# Allegro board WNS_FDM_2V1-1221P2.brd (continued)
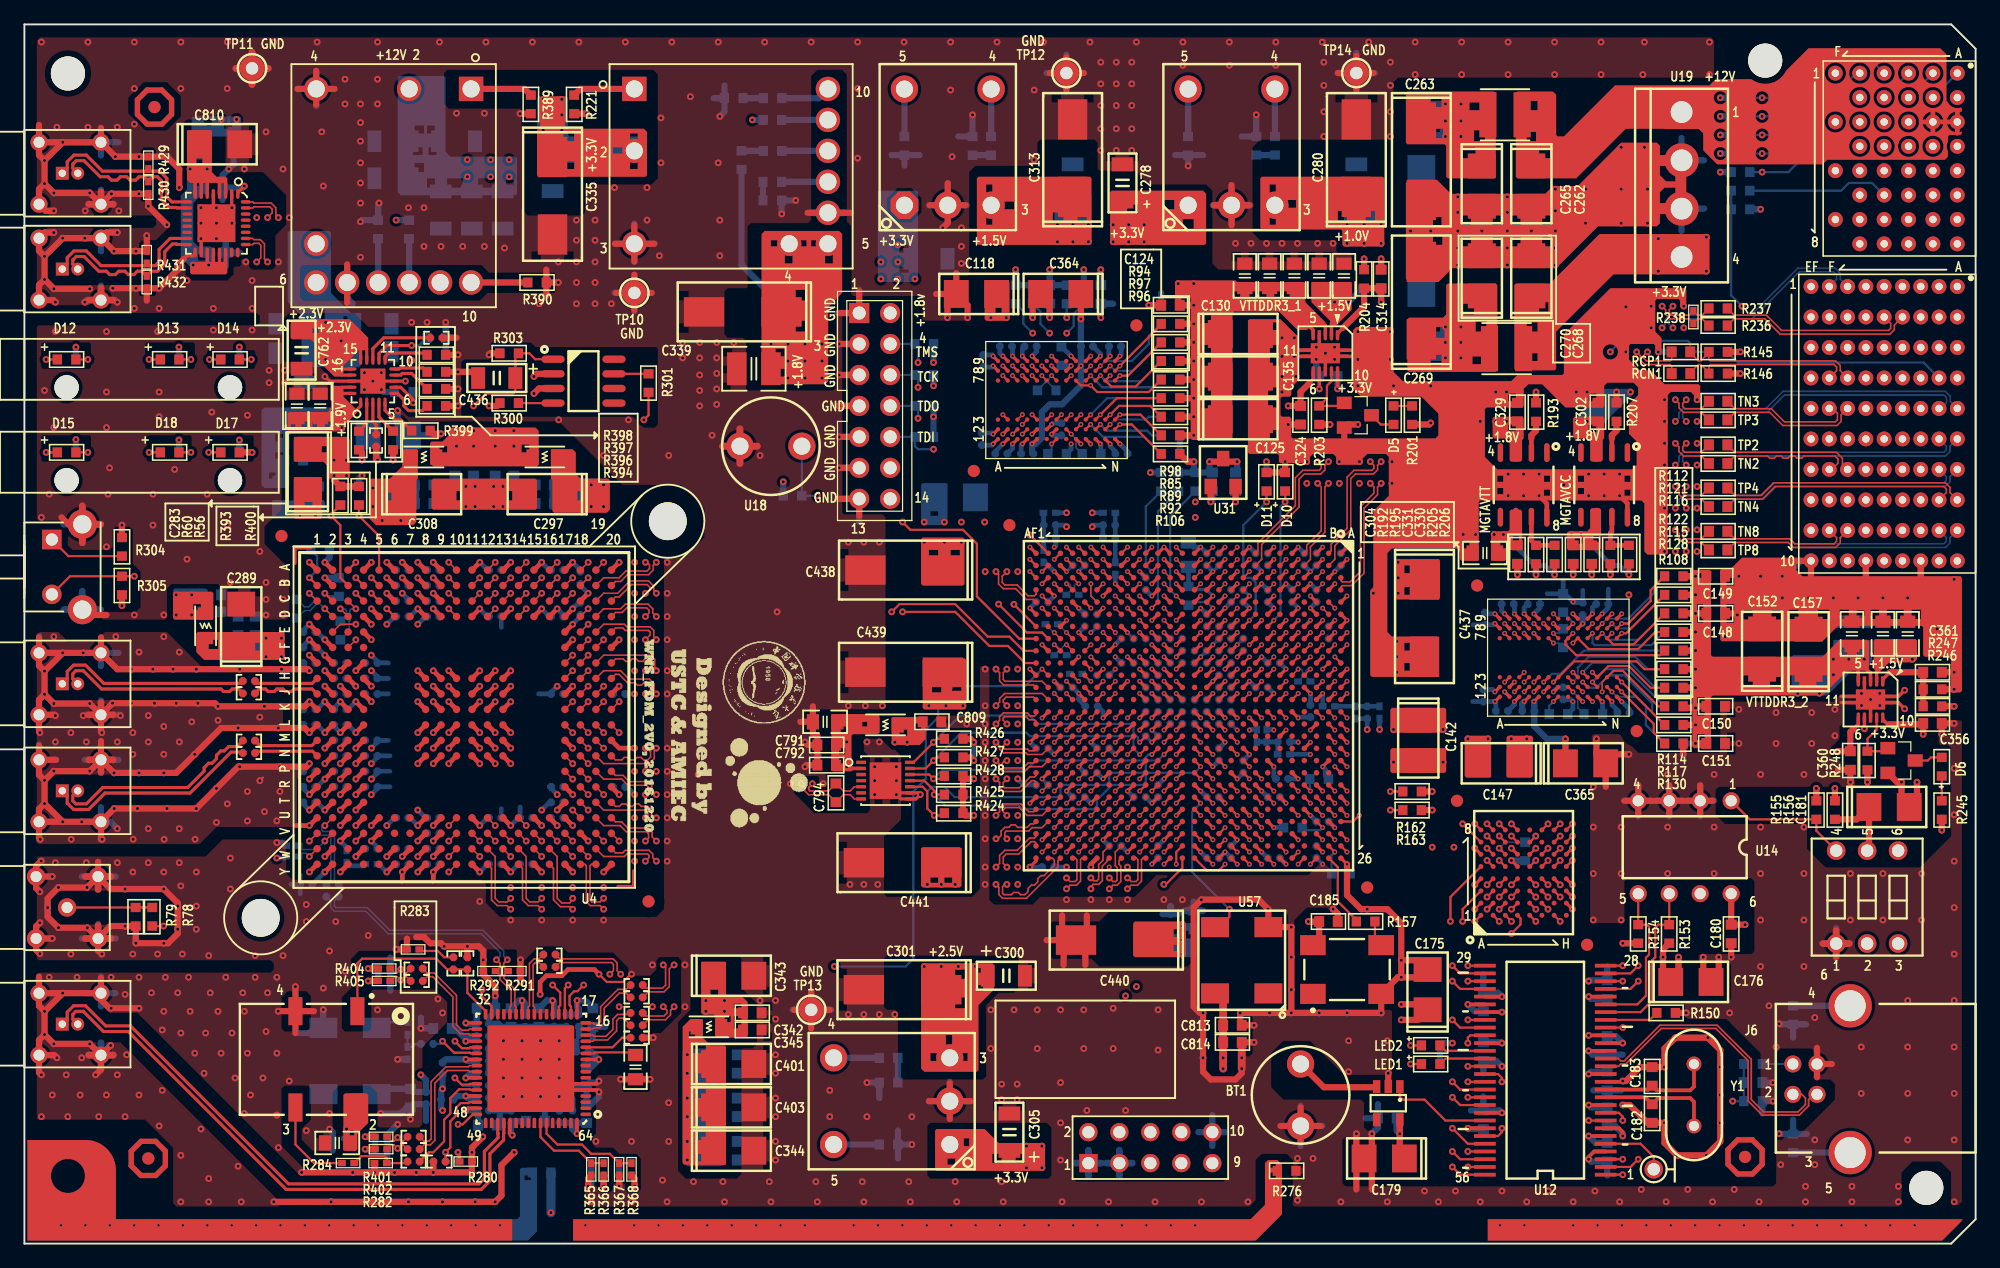
[diagram p0: board, top side]
## Routing (per net, layer and track width the routed paths; a pad name or vN(x,y) marks a point on that pad's centre or on a via; arc(x,y) is an arc through that point) (continued)
N10902226: length 2.1
  TOP w0.178: R157.1 110.74,24.99 U16.3
N16774590: length 1.4
  TOP w0.254: v1(85.83,71.99) U10.H8
  BOTTOM w0.381: v1(85.83,71.99) 85.79,72.03 R102.2
N16808704: length 1.8
  TOP w0.178: U11.H8 v1(126.98,50.86)
  BOTTOM w0.178: R126.2 126.18,51.75 126.98,50.95 v1(126.98,50.86)
N16810438: length 4.7
  BOTTOM w0.508: J6.6 R152.1
N16810511: length 5.4
  TOP w0.178: TP9.1 133.6,7.11 132.52,8.19 U12.5
N16810513: length 4.4
  TOP w0.178: U12.21 133.29,18.35 R150.2
N16810555: length 24.5
  TOP w0.132: U12.16 130.71,15.18 130.9,14.99 131.19,14.99 134.11,17.91 138.81,17.91 141.6,15.11 141.6,11.81 142.62,10.8 145.43,10.8 146.04,11.41 146.04,11.94 145.74,12.24 J6.2
N16810557: length 24.5
  TOP w0.132: J6.3 146.74,12.24 146.3,11.81 146.3,11.3 145.54,10.54 142.51,10.54 141.35,11.7 141.35,15.01 138.7,17.65 134.22,17.65 131.3,14.73 130.9,14.73 130.71,14.54 U12.15
N16810636: length 7
  TOP w0.508: BT1.1 106.55,12.83 110.84,12.83 U13.3
N16810845: length 3.9
  TOP w0.178: LED1.2 116.52,15.18 U12.41
N16810890: length 1.8
  TOP w0.178: LED1.1 v2(113.67,14.73)
  BOTTOM w0.178: LED1.1 v2(113.67,14.73)
N16810892: length 1.8
  TOP w0.178: LED2.1 v2(113.67,16.26)
  BOTTOM w0.178: LED2.1 v2(113.67,16.26)
N16811247: length 6.9
  TOP w0.508: R156.1 150.24,34.8 C181.1 151.26,32.38 SW1.5
N16916419: length 3.9
  BOTTOM w0.508: U24.5 R186.1
N16916421: length 1.5
  BOTTOM w0.508: R187.2 R188.1
N16916431: length 3.9
  BOTTOM w0.508: U24.4 R187.1
N16916614: length 3.7
  BOTTOM w0.508: R194.1 U27.5
N16916616: length 2
  BOTTOM w0.508: R197.1 R196.2
N16916626: length 3.7
  BOTTOM w0.508: U27.4 R196.1
N16917164: length 4
  TOP w0.381: U26.7 123.57,57.66 R192.1 R195.2
N16917275: length 3.9
  TOP w0.381: 130.18,59.58 130.18,58.42 130.05,58.29 R205.1 R206.2
N16941733: length 8.3
  TOP w0.279: U29.1 107.68,74.66 108.14,75.12
  TOP w0.508: v2(111.25,77.22) C314.1 R204.1 109.86,76.83 108.14,75.12
  BOTTOM w0.508: R202.2 v2(111.25,77.22)
N16941810: length 5.4
  TOP w0.178: U29.9 107.18,70.74 106.81,70.37 106.81,69.34 R203.2 107.98,68.71 Q1.1
N16953617: length 3.9
  BOTTOM w0.508: U28.5 R198.1
N16953619: length 1.5
  BOTTOM w0.508: R199.2 R200.1
N16953629: length 3.9
  BOTTOM w0.508: U28.4 R199.1
N17050323: length 5.1
  TOP w0.508: R221.2 45.59,94.71 U32.1
N17050346: length 1.8
  BOTTOM w0.508: R210.1 R213.2
N17050348: length 3.8
  BOTTOM w0.508: U32.8 R213.1
N17050384: length 1.5
  BOTTOM w0.508: R209.2 R222.1
N17050386: length 3.8
  BOTTOM w0.508: U32.7 R209.1
N17050402: length 3.8
  BOTTOM w0.508: U32.9 R218.1
N17050423: length 4.1
  BOTTOM w0.508: U32.10 65.13,93.95 R223.1
N17050425: length 1.7
  BOTTOM w0.508: R223.2 R224.1
N17158977: length 3
  TOP w0.254: U15.M6 v1(97.45,52.12)
  BOTTOM w0.178: v1(97.45,52.12) 96.95,52.62 95.7,52.62 R225.1
N17299230: length 6.5
  TOP w0.279: U33.1 152.38,46.28 152.97,46.86
  TOP w0.508: R246.2 R247.1 C361.1 152.97,46.86
N17299306: length 4.9
  TOP w0.178: Q2.1 152.55,40.39 R248.2 151.13,41.4 151.88,42.16 U33.9
N17495344: length 4.7
  BOTTOM w0.508: R278.1 J6.5
N17558140: length 4.2
  TOP w0.178: U34.11 46.72,15.6 46.8,15.68 49.91,15.68 C411.2
N17558142: length 4
  TOP w0.178: U34.12 48.23,16.1 49.02,16.89 C410.2
N17558156: length 4.1
  TOP w0.178: U34.43 36.55,13.1 36.49,13.04 35.86,13.04 v2(35.31,13.59)
  BOTTOM w0.178: C415.1 35.94,12.95 v2(35.31,13.59)
N17558206: length 4.1
  TOP w0.178: v2(35.31,16.6) 35.87,16.04 36.49,16.04 36.55,16.1 U34.37
  BOTTOM w0.178: C416.2 35.9,16 v2(35.31,16.6)
N17558600: length 17.8
  TOP w0.178: U35.1 27.3,22.99 27.69,23.37 33.78,23.37 34.66,22.49 C412.2 C421.2 36.32,20.57 37.82,19.08 U34.32
N17558607: length 5.1
  TOP w0.178: R284.2 27.62,7.18 29.54,7.18 29.72,7 R282.1 31.29,6.6 C419.2
N17558613: length 7.5
  TOP w0.178: U35.3 22.23,8.13 23.75,6.6 R284.1
N17558631: length 9
  TOP w0.178: C419.1 33.18,7.49 33.53,7.49 34.42,8.38 34.42,10.16 34.92,10.67 34.92,11.94 35.65,12.66 36.54,12.66 36.6,12.6 U34.44
N17558641: length 1.6
  TOP w0.178: v2(35.55,7.49) 35.69,7.36 R280.1
  BOTTOM w0.178: C408.2 v2(35.55,7.49)
N17558643: length 7.4
  TOP w0.178: C417.1 v2(34.54,7.49) 34.92,7.88 34.92,10.03 35.43,10.54 35.43,11.18 35.79,11.53 36.42,11.53 36.49,11.6 U34.46
  BOTTOM w0.178: C408.1 34.55,7.48 v2(34.54,7.49)
N17558659: length 2.2
  BOTTOM w0.178: C413.1 32.07,16.38 31.81,16.13 R281.1 R279.2
N17558661: length 4.1
  TOP w0.178: v2(34.29,16.6) 35.23,15.66 36.54,15.66 36.6,15.6 U34.38
  BOTTOM w0.178: v2(34.29,16.6) 34.07,16.38 C413.2
N17620275: length 58.2
  TOP w0.178: v2(36.83,68.71) 37.85,69.72 40.08,69.72 40.26,69.9 C436.1 40.26,72.77 R303.1 41.4,73.03 41.89,72.54 U36.1 ; v2(9.02,54.74) R305.2 3.74,54.74 U63.2
  ART08 w0.119: v2(9.02,54.74) 11.43,57.15 11.43,63.75 14.86,67.18 18.8,67.18 23.37,71.75 26.16,71.75 26.92,72.52 30.73,72.52 33.91,69.34 36.2,69.34 v2(36.83,68.71)
N17620292: length 2.8
  TOP w0.178: R300.2 U36.4
N17620294: length 2.8
  TOP w0.178: U36.7 R301.1
N17650733: length 1.8
  TOP w0.178: D12.1 v2(1.78,72.52)
  BOTTOM w0.178: D12.1 v2(1.78,72.52)
N17650763: length 1.8
  TOP w0.178: D13.1 v2(10.23,72.52)
  BOTTOM w0.178: D13.1 v2(10.23,72.52)
N18072394: length 3.6
  BOTTOM w0.508: U58.7 R388.1
N18074867: length 3.6
  BOTTOM w0.508: R391.1 U58.8
N18078872: length 2.7
  TOP w0.254: C758.2 28.84,67.18 28.57,67.44 U59.3
N18081703: length 5
  TOP w0.254: v2(31.75,73.66) 29.72,73.66 29.07,73.02 U59.12
  BOTTOM w0.254: v2(31.75,73.66) 32.38,73.66 R392.1
N18102810: length 4.2
  TOP w0.508: R402.1 v2(27.94,7.75) ; R401.2 v2(27.94,8.76)
  BOTTOM w0.508: v2(27.94,7.75) C764.1 28.75,8.75 R401.2 v2(27.94,8.76)
N18120412: length 4.2
  TOP w0.508: R404.2 v2(28.19,22.56) ; v2(28.19,21.54) R405.1
  BOTTOM w0.508: v2(28.19,21.54) R405.1 29,21.55 C767.1 v2(28.19,22.56)
N18121616: length 16.5
  TOP w0.254: C770.1 17.71,45.95 6.51,45.95 5.02,47.45 4.03,47.45 3.51,46.93 3.51,46.32 J8.1
N18121619: length 16
  TOP w0.254: J8.2 3.97,46.32 3.97,46.74 4.22,46.99 4.83,46.99 6.32,45.49 16.12,45.49 16.33,45.29 16.83,45.29 17.04,45.49 17.54,45.49 C771.1
N18121631: length 17.8
  TOP w0.254: J9.1 3.51,36.73 3.51,36.13 4.03,35.61 5.27,35.61 6.62,36.96 13.59,36.96 16.94,40.31 17.85,40.31 C772.1
N18121634: length 17.5
  TOP w0.254: J9.2 3.97,36.73 3.97,36.32 4.22,36.07 5.08,36.07 6.43,37.41 13.4,37.41 14.74,38.76 14.74,39.04 15.1,39.4 15.39,39.4 15.75,39.76 15.75,40.05 16.11,40.41 16.39,40.41 16.75,40.77 17.42,40.77 C773.1
N18160273: length 4.1
  BOTTOM w0.381: R408.2 89.45,58.94 C774.2 89.45,58.92 R409.1 R410.1
N18161206: length 3.1
  BOTTOM w0.381: R412.1 R413.1 83.57,58.92 C775.2 83.57,58.94 R411.2
N18161770: length 3.7
  BOTTOM w0.381: R414.2 110.12,44.07 C776.2 110.1,44.07 R416.1 R415.1
N18161825: length 2.7
  BOTTOM w0.381: R418.1 R419.1 C777.2 102.78,40.14 R417.2
N18197694: length 5.8
  TOP w0.124: C790.1 49.35,20.85 48.67,20.85 47.24,19.43 47.24,18.21 47.04,18 46.72,18 46.62,18.1 U34.16
N18197699: length 5.8
  TOP w0.124: C789.1 49.35,20.55 48.79,20.55 47.55,19.31 47.55,18.08 47.16,17.7 46.72,17.7 46.62,17.6 U34.15
N18197765: length 5
  TOP w0.124: U34.14 46.62,17.1 46.72,17 47.69,17 48.26,17.57 48.26,18.41 48.64,18.8 49.58,18.8 C788.1
N18197770: length 5.2
  TOP w0.124: U34.13 46.62,16.6 46.72,16.7 47.81,16.7 48.56,17.45 48.56,18.29 48.77,18.49 49.12,18.49 C787.1
N18454595: length 13.7
  TOP w0.254: U62.10 12.54,84.94 12.49,84.99 11.9,84.99 11.23,85.66 11.23,87.19 10.91,87.5 10.54,87.5 R430.1 9.78,87.5 9.4,87.5 9.12,87.22 8.66,87.22 8.38,87.5 7.87,87.5 7.59,87.22 7.14,87.22 6.86,87.5 6.21,87.5 4.89,88.82 4.25,88.82 3.97,88.54 3.97,88.2 J15.2
N18454598: length 13.8
  TOP w0.254: J15.1 3.51,88.2 3.51,88.73 4.06,89.28 5.08,89.28 6.4,87.96 9.97,87.96 9.98,87.95 R429.2 10.34,87.96 11.1,87.96 11.68,87.38 11.68,85.85 12.09,85.44 U62.9
N18454783: length 13.2
  TOP w0.254: U62.16 12.54,81.94 12.49,81.99 12.14,81.99 11.51,81.36 11.51,80.34 10.92,79.76 10.41,79.76 R432.1 9.85,79.56 9.84,79.55 9.64,79.76 9.26,79.76 8.98,79.48 8.52,79.48 8.24,79.76 7.74,79.76 7.46,79.48 7,79.48 6.72,79.76 6.1,79.76 4.89,80.96 4.25,80.96 3.97,80.68 3.97,80.34 J16.2
N18454786: length 13.3
  TOP w0.254: J16.1 3.51,80.34 3.51,80.87 4.06,81.42 5.08,81.42 6.29,80.21 9.83,80.21 9.84,80.2 R431.2 10.21,80.21 10.73,80.21 11.05,80.53 11.05,81.55 11.95,82.44 U62.15
N18540103: length 1.8
  TOP w0.178: D14.1 v2(15.18,72.52)
  BOTTOM w0.178: D14.1 v2(15.18,72.52)
N18540113: length 1.8
  TOP w0.178: D15.1 v2(1.78,64.9)
  BOTTOM w0.178: D15.1 v2(1.78,64.9)
N18540264: length 2
  TOP w0.178: D17.1 v2(15.11,64.9)
  BOTTOM w0.178: D17.1 v2(15.11,64.9)
N18567534: length 1.8
  TOP w0.178: D18.1 v2(10.23,64.9)
  BOTTOM w0.178: D18.1 v2(10.23,64.9)
N168105510: length 2.5
  BOTTOM w0.178: R149.1 J6.1
N169171520: length 2.7
  TOP w0.381: 123.57,66.04 U26.2
  TOP w0.508: R193.1 123.95,66.67 123.57,66.29 123.57,66.04
N169172710: length 2.7
  TOP w0.381: 130.18,66.04 130.18,64.88
  TOP w0.508: 130.18,66.04 130.18,66.29 130.56,66.67 R207.1
N169415771: length 1.5
  TOP w0.178: R201.2 D5.1
N169416590: length 2.1
  TOP w0.178: D5.2 111.23,67.18 Q1.3
N172991041: length 2
  TOP w0.178: D6.1 R245.2
N172991780: length 2.3
  TOP w0.178: Q2.3 156.08,39.62 156.34,39.88 D6.2
N175583060: length 3.1
  TOP w0.178: C412.1 34.43,23.49 33.91,24 32.51,24 R283.2
N176209151: length 6.3
  TOP w0.178: R304.2 3.61,56.39 U63.1
N180715730: length 5.1
  TOP w0.508: R389.2 41.02,94.71 U58.1
N180715739: length 4.6
  TOP w0.508: R390.1 U58.10
N180779651: length 2.6
  TOP w0.254: U59.2 28.08,67.27 R393.2
N180779653: length 2.8
  TOP w0.254: R400.2 29.07,67.79 U59.4
N180779654: length 3.5
  TOP w0.254: R399.1 30.86,67.56 30.35,67.56 29.57,68.34 U59.5
N180779655: length 3.7
  TOP w0.254: U59.6 30.59,69.74 31.11,69.22 31.11,68.71 31.5,68.33 32.64,68.33 R394.1
N180779656: length 3.9
  TOP w0.254: R398.1 32.87,73.05 29.87,73.05 29.57,72.75 U59.11
N180779658: length 6
  TOP w0.254: U59.13 28.57,73.41 29.46,74.3 C763.1
N1681050744: length 3.9
  TOP w0.178: LED2.2 116.52,15.81 U12.40
N1807796511: length 3.1
  TOP w0.254: U59.7 30.85,70.24 31.88,69.22 v2(31.88,68.96)
  BOTTOM w0.254: R395.1 v2(31.88,68.96)
N1807796513: length 3.3
  TOP w0.254: R396.1 31.75,71.37 30.99,71.37 30.85,71.24 U59.9
N1807796514: length 2.9
  TOP w0.254: U59.10 30.72,71.74 30.8,71.82 32.7,71.82 R397.1

## Copper pours and planes (outline as drawn; the poured copper is in the pictures)
+1.0V on TOP (solid shape): 116.08,56.01 116.08,52.96 115.95,52.83 112.52,52.83 112.39,52.96 112.39,53.21 114.05,53.21 114.05,53.85 113.16,53.85 113.16,53.21 112.39,53.21 112.39,54.99 114.05,54.99 114.05,55.63 113.16,55.63 113.16,54.99 112.39,54.99 112.39,56.01 112.52,56.13 115.95,56.13
+1.0V on TOP (solid shape): 111.51,87.38 111.51,81.92 111.38,81.79 108.2,81.79 108.08,81.92 108.08,83.06 107.95,83.19 101.47,83.19 101.35,83.31 101.35,83.57 102.62,83.57 102.62,83.82 110.74,83.82 110.74,84.71 109.98,84.71 109.98,83.82 108.46,83.82 108.46,84.71 107.7,84.71 107.7,83.82 102.62,83.82 102.62,84.58 102.11,84.58 102.11,83.57 101.35,83.57 101.35,84.96 104.27,84.96 104.27,85.6 102.87,85.6 102.87,84.96 101.35,84.96 101.35,85.72 102.62,85.72 102.62,86.87 102.11,86.87 102.11,85.72 101.35,85.72 101.35,87.38 101.47,87.5 111.38,87.5
+1.0V on BOTTOM (solid shape): 111.51,85.98 111.51,81.92 111.38,81.79 108.33,81.79 108.2,81.92 108.2,84.45 108.97,84.45 108.97,84.58 110.36,84.58 110.36,85.34 109.73,85.34 109.73,84.58 108.97,84.58 108.97,85.22 108.46,85.22 108.46,84.45 108.2,84.45 108.2,85.98 108.33,86.11 111.38,86.11
+1.0V on POWER06: 90.34,40.89 90.17,41.06 90.17,57.57 90.42,57.83 90.42,58.84 93.98,62.4 93.98,79.04 94.95,80.01 104.48,80.01 105.66,81.2 105.66,83.48 106.38,84.2 113.2,84.2 113.92,83.48 113.92,42.63 112.44,41.15 108.88,41.15 108.63,40.89
+1.5V on TOP (solid shape): 108.84,78.74 108.84,76.58 107.57,75.31 107.19,75.31 107.06,75.44 107.06,75.69 105.54,77.22 105.54,78.74 105.66,78.87 108.71,78.87
+1.5V on TOP (solid shape): 116.59,43.81 116.59,42.04 116.46,41.91 112.14,41.91 112.01,42.04 112.01,43.81 112.14,43.94 116.46,43.94
+1.5V on TOP (solid shape): 123.7,41.53 123.7,38.35 123.57,38.23 121.67,38.23 121.54,38.35 121.54,41.53 121.67,41.66 123.57,41.66
+1.5V on TOP (solid shape): 155.19,49.45 155.19,47.93 154.94,47.68 152.91,47.68 152.15,46.91 151.89,46.91 151.64,47.17 151.64,49.45 151.76,49.58 155.07,49.58
+1.5V on TOP (solid shape): 80.77,78.87 80.77,75.82 80.64,75.69 78.87,75.69 78.74,75.82 78.74,76.33 80.14,76.33 80.14,76.83 79.63,76.83 79.63,76.33 78.74,76.33 78.74,78.87 78.87,78.99 80.64,78.99
+1.5V on TOP (solid shape): 77.09,57.78 77.09,54.1 76.96,53.98 73.66,53.98 73.53,54.1 73.53,56.01 76.71,56.01 76.71,56.9 75.95,56.9 75.95,56.01 73.53,56.01 73.53,56.13 74.93,56.13 74.93,56.9 74.17,56.9 74.17,56.13 73.53,56.13 73.53,57.78 73.66,57.91 76.96,57.91
+1.5V on TOP (solid shape): 87.5,87.38 87.5,82.04 87.38,81.92 78.23,81.92 78.11,82.04 78.11,83.57 79.38,83.57 79.38,83.82 87.12,83.82 87.12,84.58 86.36,84.58 86.36,83.82 85.22,83.82 85.22,84.58 84.33,84.58 84.33,83.82 79.38,83.82 79.38,84.71 78.87,84.71 78.87,83.57 78.11,83.57 78.11,84.84 81.15,84.84 81.15,85.47 79.63,85.47 79.63,84.84 78.11,84.84 78.11,85.6 79.38,85.6 79.38,86.87 78.87,86.87 78.87,85.6 78.11,85.6 78.11,87.38 78.23,87.5 87.38,87.5
+1.5V on BOTTOM (solid shape): 75.69,62.23 75.69,59.05 75.56,58.93 73.66,58.93 73.53,59.05 73.53,59.69 74.93,59.69 74.93,60.45 74.3,60.45 74.3,59.69 73.53,59.69 73.53,62.23 73.66,62.36 75.56,62.36
+1.5V on BOTTOM (solid shape): 87.5,85.98 87.5,82.04 87.38,81.92 84.58,81.92 84.45,82.04 84.45,84.33 87.12,84.33 87.12,85.22 86.49,85.22 86.49,84.33 85.72,84.33 85.72,85.09 84.96,85.09 84.96,84.33 84.45,84.33 84.45,85.98 84.58,86.11 87.38,86.11
+1.5V on POWER05: 110.32,38.73 109.05,40.01 108.69,40.01 108.44,40.26 106.83,40.26 106.82,40.25 106.29,40.25 105.66,39.62 104.69,39.62 104.2,40.11 104.2,43.79 103.67,44.32 100.56,44.32 100.2,44.68 100.2,51.29 99.67,51.82 82,51.82 81.74,52.07 75.27,52.07 73.41,53.93 73.41,59.48 77.03,63.1 77.03,78.09 83.14,84.2 87.29,84.2 87.88,83.61 87.88,81.32 89.83,79.38 108.12,79.38 109.09,78.4 109.09,76.66 108.37,75.95 101.39,75.95 99.95,74.51 99.95,63.8 101.01,62.74 112.44,62.74 112.78,62.4 112.78,60.88 117.52,56.13 131.36,56.13 132.46,55.03 132.46,52.24 134.28,50.42 154.73,50.42 155.32,49.83 155.32,45.93 154.6,45.21 134.03,45.21 127.55,38.73
+1.8V on TOP (solid shape): 129.54,67.69 129.54,66.04 129.41,65.91 129.41,64.26 129.29,64.14 128.52,64.14 128.4,64.26 128.4,65.91 128.27,66.04 127.13,66.04 127,66.17 127,66.55 128.91,66.55 128.91,67.18 128.27,67.18 128.27,66.55 127,66.55 127,67.69 127.13,67.82 129.41,67.82
+1.8V on TOP (solid shape): 122.94,67.69 122.94,66.04 122.81,65.91 122.81,64.26 122.68,64.14 121.92,64.14 121.79,64.26 121.79,65.91 121.67,66.04 120.52,66.04 120.4,66.17 120.4,66.67 122.3,66.67 122.3,67.18 121.67,67.18 121.67,66.67 120.4,66.67 120.4,67.69 120.52,67.82 122.81,67.82
+1.8V on TOP (solid shape): 77.22,47.88 77.22,43.94 77.09,43.81 73.79,43.81 73.66,43.94 73.66,45.21 75.18,45.21 75.18,45.34 76.83,45.34 76.83,46.1 76.07,46.1 76.07,45.34 75.18,45.34 75.18,46.1 74.42,46.1 74.42,45.21 73.66,45.21 73.66,47.88 73.79,48.01 77.09,48.01
+1.8V on TOP (solid shape): 67.06,82.8 67.06,77.98 65.91,76.83 65.91,70.74 65.66,70.48 60.58,70.48 60.45,70.61 60.45,71.12 62.48,71.12 62.48,71.75 61.72,71.75 61.72,71.12 60.45,71.12 60.45,72.77 62.36,72.77 62.36,73.41 61.59,73.41 61.59,72.77 60.45,72.77 60.45,74.8 64.14,74.8 64.14,75.69 63.25,75.69 63.25,74.8 60.45,74.8 60.45,77.34 64.14,77.34 64.14,78.23 63.25,78.23 63.25,77.34 60.45,77.34 60.45,80.39 66.29,80.39 66.29,81.41 65.66,81.41 65.66,80.39 62.99,80.39 62.99,81.41 62.36,81.41 62.36,80.39 60.45,80.39 60.45,81.79 65.41,81.79 65.41,82.3 64.52,82.3 64.52,81.79 64.14,81.79 64.14,82.3 62.99,82.3 62.99,81.79 62.1,81.79 62.1,82.3 61.21,82.3 61.21,81.79 60.45,81.79 60.45,82.8 60.71,83.06 66.8,83.06
+1.8V on BOTTOM (solid shape): 131.95,69.98 131.95,69.72 129.41,67.18 127.13,67.18 127,67.31 127,67.56 129.54,70.1 131.83,70.1
+1.8V on ART03 (solid shape): 139.57,94.11 139.57,75.82 133.1,69.34 130.3,69.34 130.18,69.47 130.18,70.23 130.3,70.36 132.72,70.36 138.56,76.2 138.56,94.11 138.68,94.23 139.45,94.23
+1.8V on ART03: 69.6,77.47 69.6,75.18 69.85,74.93 81.15,74.93 82.68,76.45 86.74,76.45 87.12,76.07 87.12,75.44 87.38,75.18 90.3,75.18 92.08,73.41 92.08,63.12 92.2,62.99 93.47,62.99 95.12,64.64 100.2,64.64 100.97,63.88 102.49,63.88 103.25,64.64 108.08,64.64 109.22,65.79 128.27,65.79 128.4,65.91 128.4,68.83 128.27,68.96 127,68.96 125.73,70.23 123.06,70.23 122.05,69.22 106.55,69.22 106.17,69.6 102.49,69.6 101.47,70.61 96.52,70.61 96.27,70.36 95.63,70.36 95.25,70.74 95.25,71.25 95.38,71.37 95.38,77.22 93.34,79.25 81.03,79.25 79.88,78.11 74.8,78.11 74.42,77.72 69.85,77.72
+1.8V on POWER05: 98,25.02 95.21,27.81 79.97,27.81 78.23,29.55 78.23,32.21 77.09,33.36 77.09,41.61 75.14,43.56 55.46,43.56 54.1,44.91 54.1,56.34 52.2,58.25 52.2,74.97 54.69,77.47 75.55,77.47 76.01,77.01 76.01,63.52 72.39,59.9 72.39,53.51 74.85,51.05 81.74,51.05 82,51.31 99.46,51.31 99.69,51.08 99.69,44.47 100.35,43.81 103.46,43.81 103.7,43.58 103.7,39.9 104.48,39.12 105.92,39.12 106.55,39.75 108.23,39.75 108.33,39.65 108.33,39.29 109.9,37.72 126.92,37.72 127.25,37.38 127.25,26.88 125.39,25.02
+1.9V on TOP (solid shape): 15.49,53.34 15.49,51.31 15.37,51.18 12.32,51.18 12.19,51.31 12.19,51.94 14.48,51.94 14.48,52.45 13.84,52.45 13.84,51.94 12.19,51.94 12.19,53.34 12.32,53.47 15.37,53.47
+1.9V on TOP (solid shape): 42.16,66.67 42.16,63.88 42.04,63.75 33.53,63.75 33.27,64.01 33.27,64.9 41.4,64.9 41.4,65.53 40.77,65.53 40.77,64.9 34.67,64.9 34.67,65.41 34.04,65.41 34.04,64.9 33.27,64.9 33.27,65.66 33.4,65.79 34.29,65.79 34.8,66.29 34.8,66.67 35.05,66.93 41.91,66.93
+1.9V on TOP (solid shape): 26.16,70.23 26.16,69.47 27.3,68.33 27.3,68.2 26.29,67.18 26.29,66.8 26.16,66.67 21.72,66.67 21.59,66.8 21.59,66.93 25.15,66.93 25.15,67.44 24.64,67.44 24.64,66.93 24,66.93 24,67.44 23.62,67.44 23.62,66.93 23.24,66.93 23.24,67.44 22.73,67.44 22.73,66.93 22.23,66.93 22.23,67.44 21.84,67.44 21.84,66.93 21.59,66.93 21.59,68.07 21.72,68.2 24.89,68.2 25.15,68.45 25.15,70.23 25.27,70.36 26.04,70.36
+1.9V on BOTTOM (solid shape): 14.99,53.59 14.99,51.31 14.86,51.18 12.32,51.18 12.19,51.31 12.19,52.07 14.48,52.07 14.48,53.09 13.84,53.09 13.84,52.07 12.19,52.07 12.19,53.59 12.32,53.72 14.86,53.72
+1.9V on BOTTOM (solid shape): 40.51,66.8 40.51,64.26 40.39,64.14 34.92,64.14 34.8,64.26 34.8,64.64 39.88,64.64 39.88,65.15 38.86,65.15 38.86,64.64 38.35,64.64 38.35,65.15 37.85,65.15 37.85,64.64 37.47,64.64 37.47,65.15 36.96,65.15 36.96,64.64 36.58,64.64 36.58,65.15 35.56,65.15 35.56,64.64 34.8,64.64 34.8,66.8 34.92,66.93 40.39,66.93
+1.9V on BOTTOM (solid shape): 26.29,68.45 26.29,66.67 26.16,66.55 21.97,66.55 21.72,66.29 21.72,62.1 21.59,61.98 19.68,61.98 19.43,62.23 19.43,62.74 20.57,62.74 20.57,63.25 20.07,63.25 20.07,62.74 19.43,62.74 19.43,64.39 21.21,64.39 21.21,64.9 20.57,64.9 20.57,64.39 19.43,64.39 19.43,65.79 21.21,65.79 21.21,66.42 20.57,66.42 20.57,65.79 19.43,65.79 19.43,67.31 24.38,67.31 24.38,67.69 23.37,67.69 23.37,67.31 22.61,67.31 22.61,67.69 21.72,67.69 21.72,67.31 19.43,67.31 19.43,68.33 19.68,68.58 26.16,68.58
+1.9V on ART10: 40.39,67.06 40.13,67.31 27.56,67.31 26.29,68.58 20.95,68.58 12.06,59.69 12.06,51.31 12.19,51.18 19.05,51.18 19.68,51.82 22.35,51.82 22.61,52.07 22.61,56.39 22.99,56.77 35.18,56.77 37.97,59.56 37.97,60.71 38.23,60.96 39.75,60.96 40.39,61.59
+1.9VA on TOP (solid shape): 24.38,62.74 24.38,59.56 24.26,59.44 22.23,59.44 22.1,59.56 22.1,60.45 23.62,60.45 23.62,61.09 22.99,61.09 22.99,60.45 22.1,60.45 22.1,62.74 22.23,62.87 24.26,62.87
+1.9VA on BOTTOM (solid shape): 24.64,60.83 24.64,59.94 24.26,59.56 20.45,59.56 20.32,59.69 20.32,59.82 21.84,59.82 21.84,59.94 23.88,59.94 23.88,60.33 23.5,60.33 23.5,59.94 23.24,59.94 23.24,60.33 22.86,60.33 22.86,59.94 22.35,59.94 22.35,60.33 21.97,60.33 21.97,59.94 21.84,59.94 21.84,60.2 21.46,60.2 21.46,59.82 20.32,59.82 20.32,60.83 20.45,60.96 24.51,60.96
+1.9VA on POWER05: 22.44,29.21 20.19,31.45 20.19,32.94 20.4,33.15 22.56,33.15 22.82,33.4 23.73,33.4 24.26,33.93 24.26,34.44 24.49,34.67 26.27,34.67 26.8,35.2 26.8,35.71 27.03,35.94 28.05,35.94 28.19,36.09 28.19,36.3 28.05,36.45 26.82,36.45 26.29,35.92 26.29,35.41 26.06,35.18 24.28,35.18 23.75,34.65 23.75,34.14 23.52,33.91 23.22,33.91 22.99,34.14 22.99,34.33 23,34.35 22.99,34.44 22.99,37.11 23.09,37.21 23.73,37.21 24.26,37.74 24.26,38.25 24.49,38.48 25,38.48 25.53,39.01 25.53,39.52 25.76,39.75 26.27,39.75 26.8,40.28 26.8,42.06 28.07,43.33 28.07,47.98 27.54,48.51 25.76,48.51 25.53,48.75 25.53,50.4 24.24,51.69 22.94,51.69 22.69,51.94 22.27,51.94 21.51,51.18 19.26,51.18 18.92,51.52 18.92,60.11 19.64,60.83 31.41,60.83 35.56,56.69 35.56,29.93 34.84,29.21
+1.9VA on ART10: 23.11,52.07 23.11,49.53 23.37,49.28 24,49.28 24.77,50.04 25.91,50.04 26.67,50.8 26.67,52.32 26.92,52.58 29.84,52.58 30.1,52.83 30.1,56.01 29.97,56.13 29.34,56.13 28.57,55.37 26.92,55.37 26.16,56.13 24,56.13 23.88,56.01 23.88,52.83
+1.9VDR on TOP (solid shape): 45.21,64.9 45.21,63.12 45.59,62.74 47.88,62.74 48.01,62.61 48.01,60.2 47.75,59.94 43.43,59.94 43.31,60.07 43.31,60.96 45.85,60.96 45.85,61.72 45.09,61.72 45.09,60.96 43.31,60.96 43.31,62.61 43.18,62.74 43.18,65.02 43.31,65.15 44.96,65.15
+1.9VDR on BOTTOM (solid shape): 47.5,62.61 47.5,60.33 47.37,60.2 43.18,60.2 43.05,60.33 43.05,60.96 44.2,60.96 44.2,61.98 43.56,61.98 43.56,60.96 43.05,60.96 43.05,62.61 43.18,62.74 47.37,62.74
+1.9VDR on POWER06: 36.91,30.35 36.58,30.69 36.58,58.12 35.31,59.39 35.31,62.53 35.77,62.99 48.05,62.99 53.47,57.57 53.47,30.92 52.98,30.35 52.85,30.23 37.08,30.23 36.96,30.35
+1.9VE on TOP (solid shape): 32.26,65.02 32.26,62.74 32.13,62.61 32.13,59.18 31.88,58.93 28.83,58.93 28.32,59.44 28.32,60.96 30.35,60.96 30.35,61.59 29.72,61.59 29.72,60.96 28.32,60.96 28.32,62.61 28.45,62.74 29.97,62.74 30.99,63.75 30.99,65.02 31.11,65.15 32.13,65.15
+1.9VE on BOTTOM (solid shape): 32.38,62.48 32.38,60.33 32.26,60.2 28.45,60.2 28.32,60.33 28.32,60.83 31.88,60.83 31.88,61.34 31.24,61.34 31.24,60.83 28.32,60.83 28.32,61.59 31.88,61.59 31.88,62.1 31.24,62.1 31.24,61.59 28.32,61.59 28.32,62.48 28.45,62.61 32.26,62.61
+1.9VE on POWER06: 29.55,29.08 28.7,29.93 28.7,31.33 28.4,31.62 28.07,31.62 28.07,35.58 28.43,35.94 28.93,35.94 29.46,36.47 29.46,47.35 28.93,47.88 28.17,47.88 27.54,48.51 25.76,48.51 25.53,48.75 25.53,52.6 25.76,52.83 26.12,52.83 26.42,53.13 26.42,60.37 29.04,62.99 33.83,62.99 34.29,62.53 34.29,58.97 35.56,57.7 35.56,29.29 35.35,29.08
+1.9VTC on TOP (solid shape): 21.34,50.04 21.34,48.01 21.21,47.88 14.73,47.88 14.1,48.51 14.1,48.64 19.3,48.64 19.3,49.28 18.67,49.28 18.67,48.64 14.1,48.64 14.1,48.77 15.88,48.77 15.88,49.53 15.11,49.53 15.11,48.77 14.1,48.77 14.1,50.04 14.22,50.16 21.21,50.16
+1.9VTC on BOTTOM (solid shape): 21.34,50.04 21.34,48.01 21.21,47.88 16.64,47.88 16.51,48.01 16.51,49.15 18.67,49.15 18.67,49.66 17.78,49.66 17.78,49.15 17.4,49.15 17.4,49.66 16.89,49.66 16.89,49.15 16.51,49.15 16.51,50.04 16.64,50.16 21.21,50.16
+1.9VTC on ART10: 19.43,49.91 19.43,36.32 19.68,36.07 26.42,36.07 26.8,36.45 27.18,36.45 27.56,36.83 27.56,38.35 27.43,38.48 26.67,38.48 26.29,38.86 26.29,46.35 26.54,46.61 27.3,46.61 27.43,46.74 27.43,47.62 27.3,47.75 24.51,47.75 24.13,48.13 24.13,48.51 23.88,48.77 23.11,48.77 21.84,50.04 19.56,50.04
+2.3V on TOP (solid shape): 28.19,74.3 28.19,73.53 27.94,73.28 27.43,73.28 26.16,72.01 26.16,71.25 26.04,71.12 25.4,71.12 24,72.52 24,73.66 23.5,74.17 21.97,74.17 21.84,74.3 21.84,74.68 24.13,74.68 24.13,75.06 23.37,75.06 23.37,74.68 21.84,74.68 21.84,75.56 22.1,75.82 26.67,75.82
+2.3V on BOTTOM (solid shape): 25.15,82.93 25.15,77.98 26.92,76.2 27.3,76.2 27.56,75.95 27.56,72.01 27.43,71.88 22.99,71.88 22.73,72.14 22.73,73.41 26.92,73.41 26.92,74.55 26.16,74.55 26.16,73.41 24.51,73.41 24.51,74.68 23.88,74.68 23.88,73.41 22.73,73.41 22.73,75.56 26.67,75.56 26.67,76.07 26.16,76.07 26.16,75.56 22.73,75.56 22.73,75.82 24.64,75.82 24.64,76.58 23.88,76.58 23.88,75.82 22.73,75.82 22.73,76.07 21.59,77.22 21.59,82.93 21.72,83.06 25.02,83.06
+2.5V on TOP (solid shape): 76.83,32.38 76.83,29.34 76.71,29.21 73.66,29.21 73.53,29.34 73.53,29.59 76.07,29.59 76.07,30.23 75.44,30.23 75.44,29.59 74.93,29.59 74.93,30.23 74.3,30.23 74.3,29.59 73.53,29.59 73.53,32.38 73.66,32.51 76.71,32.51
+2.5V on TOP (solid shape): 79.5,22.86 79.5,20.83 78.23,19.56 78.23,14.22 78.11,14.1 73.79,14.1 73.53,14.35 73.53,14.99 77.34,14.99 77.34,15.62 76.45,15.62 76.45,14.99 75.18,14.99 75.18,15.62 76.07,15.62 76.07,17.14 75.56,17.14 75.56,15.62 74.3,15.62 74.3,14.99 73.53,14.99 73.53,19.3 77.22,19.3 77.22,20.19 76.33,20.19 76.33,19.3 73.53,19.3 73.53,20.7 78.61,20.7 78.61,21.21 78.11,21.21 78.11,20.7 73.53,20.7 73.53,21.72 77.22,21.72 77.22,22.23 78.61,22.23 78.61,22.61 78.11,22.61 78.11,22.23 77.22,22.23 77.22,22.48 76.33,22.48 76.33,21.72 73.53,21.72 73.53,22.86 73.66,22.99 79.38,22.99